# Altium PCB DoXeArrduino_RFID.PcbDoc
Units mm, origin at the board's own origin, x right, y up, seen from the top; angles counter-clockwise.
Board outline 83.82 x 41.66 mm, 2 copper layers (Top Layer, Bottom Layer); 13 components, 26 nets, 103 pads, 12 vias.
Unrouted connection lines stored in the file: 2.
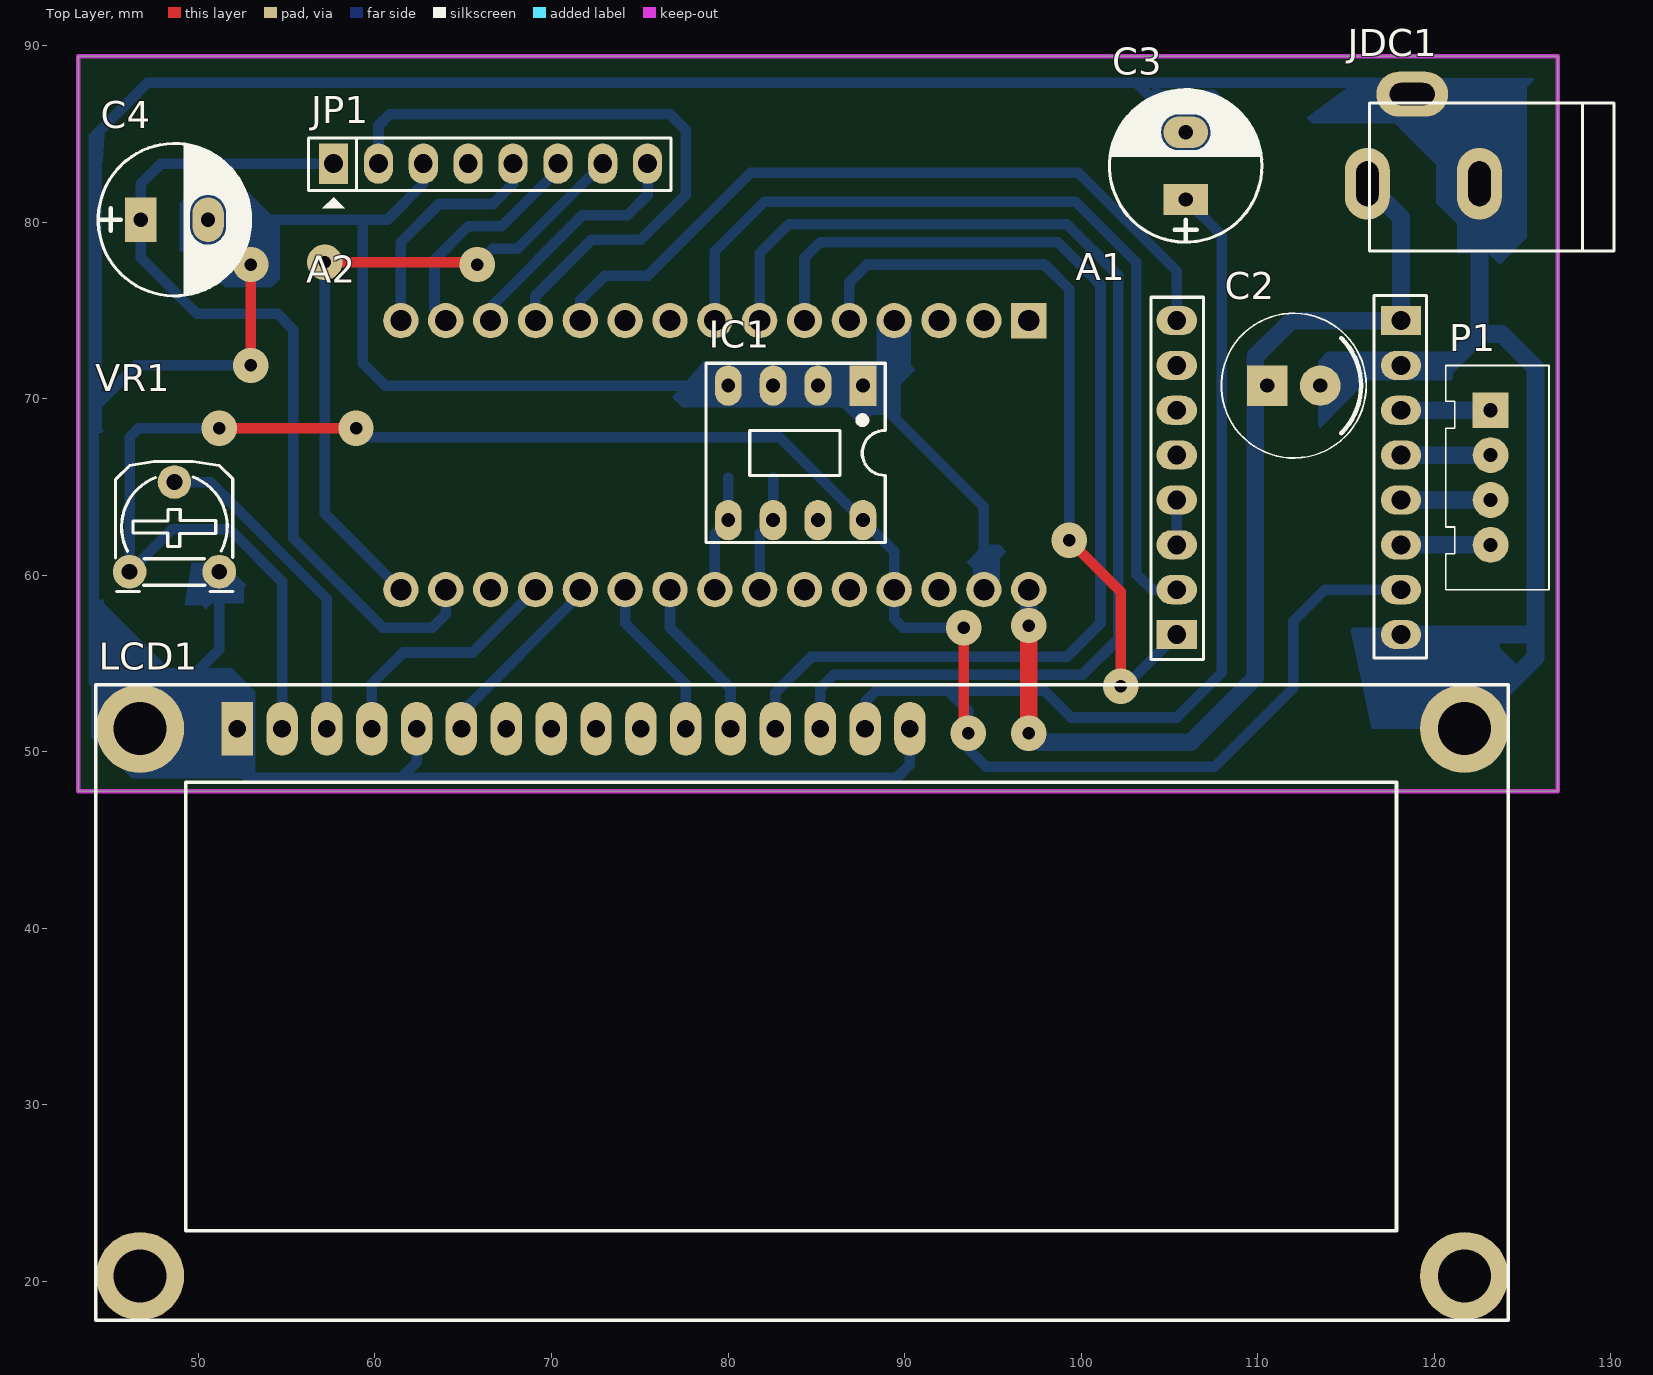
[diagram p0: Top Layer view]
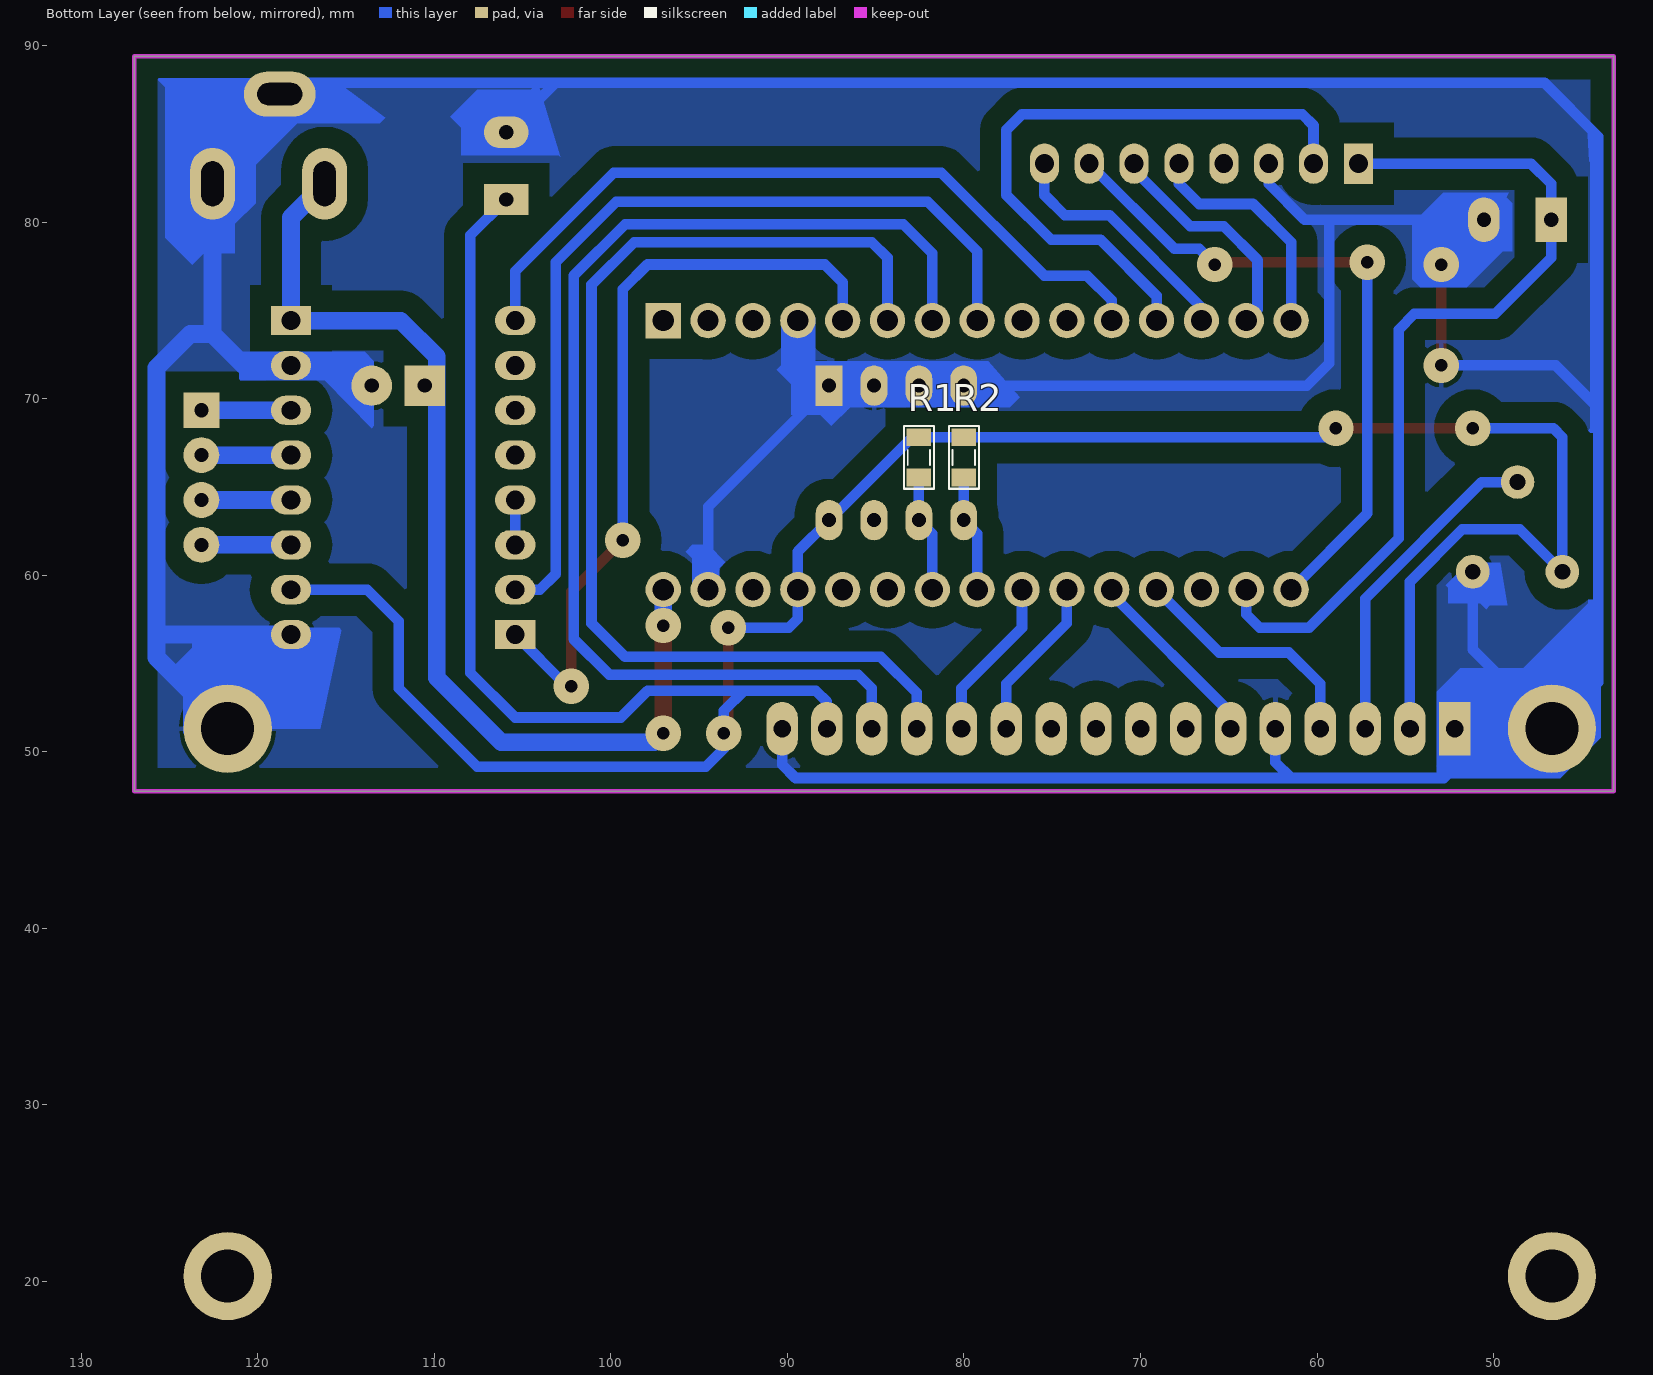
[diagram p1: Bottom Layer view, seen from below]

## Layer stack, top to bottom
Top Solder: solder mask 0.0102, Solder Resist, Dk 3.5
Top Layer: signal copper 0.0356
Dielectric 1: dielectric 0.32, FR-4, Dk 4.8
Bottom Layer: signal copper 0.0356
Bottom Solder: solder mask 0.0102, Solder Resist, Dk 3.5

## Board outline
43.18,47.752 43.18,89.408 127,89.408 127,47.752

## Design rules (kind name [scope] priority, off if disabled: settings)
Clearance [All] p1: gap=0.2 ignorepadtopadclearanceinfootprint=FALSE
PolygonConnect [All] p1: connectstyle=Relief reliefconductorwidth=0.254 reliefentries=4 polygonreliefangle="90 Angle" airgapwidth=0.254
RoutingVias [All] p1: holewidth=0.711 width=2 viastyle="Through Hole" minholewidth=0.711 minwidth=2 maxholewidth=0.711 maxwidth=3
SolderMaskExpansion [All] p1: expansion=0.102
Width [All] p1: maxlimit=1 minlimit=0.3 preferedwidth=0.6
30 further rules are at their usual default settings.

## Components (designator, comment, footprint, x,y, rotation, side; value= is the part's Value field where it differs from the comment)
A1 "A4988" FileName=OBIT_TESLA:\PCBLib\4.pcblib 103.632,74.549 r270 top
A2 "Arduino Nano" FileName=OBIT_TESLA:\PCBLib\7.pcblib 98.806,80.772 r180 top
C2 "1000uF/16V" "CAP 470uF/16V" 112.038,70.739 r0 top
C3 "1000uF/16V" CP1.5/3.4 105.918,81.28 r90 top
C4 "1000uF/16V" CP1.5/3.4 46.736,80.137 r0 top
IC1 "24Cxx" DIP8/W0.3 87.63,70.739 r180 top
JDC1 "Jack DC" DC0 119.38,84.709 r180 top
JP1 "JP8 PIN" JP8 57.658,83.312 r0 top value=JP7
LCD1 "LCD 16x2A" LCD16X2 52.197,51.308 r0 top value=LCD16x2A
P1 "HD4" "HEADER 4" 123.19,69.342 r270 top
R1 "1k" RES-SMD-0805 82.55,66.675 r90 bottom
R2 "1k" RES-SMD-0805 80.01,66.675 r90 bottom
VR1 "10k" VR-S2 46.101,60.198 r0 top

## Footprints (in the part's own frame and the unit in brackets; to place one, negate y for a bottom-side part, rotate by r counter-clockwise, add the part's x,y. Pads: shape width x height; smd on the part's side, far side on the other; paste and mask are expansions set on the pad)
"CAP 470uF/16V" [mm] "3-8.2-11-10.5(Dimension-Diameter-High)"
  rect 2.286x2.286 hole 0.8: 1(-1.5,0)
  round 2.286 hole 0.8: 2(1.5,0)
  silkscreen extent -4.1,-4.1 4.1,4.1
CP1.5/3.4 [mil] "Tu hoa 220->470uF,16V, 470uF/16V,25V"
  rect 70x100 hole 32: 1(0,0)
  oval 70x100 hole 32: 2(150,0)
  silkscreen extent -95,-170 245,170, body extent -85,-157 230,157, height 446
DC0 [mil] "Jac DC input"
  oval 100x160 hole 50 slot 100 at 90 deg: 1(125,100) 2(-125,100)
  oval 160x100 hole 50 slot 100 at 0 deg: 3(25,-100)
  silkscreen extent -425,-80 120,250, body extent -410,-105 134,269, height 434
DIP8/W0.3 [mil] "8 PIN, W 300mil, Pin to pin 100mil"
  rect 60x90 hole 31: 1(0,0)
  oval 60x90 hole 31: 2(100,0) 3(200,0) 4(300,0) 5(300,300) 6(200,300) 7(100,300) 8(0,300)
  silkscreen extent -50,-50 350,350, body extent -50,-40 350,336, height 201
FileName=OBIT_TESLA:\PCBLib\4.pcblib [mil]
  oval 65x90 hole 42: 1(5,70) 2(105,70) 3(205,70) 4(305,70) 5(405,70) 6(505,70) 7(605,70) 9(705,570) 10(605,570) 11(505,570) 12(405,570) 13(305,570) 14(205,570) 15(105,570)
  rect 65x90 hole 42: 8(705,70) 16(5,570)
  silkscreen extent -51,13 761,627, body extent -45,-165 785,619, height 1024
FileName=OBIT_TESLA:\PCBLib\7.pcblib [mm]
  rect 2x2 hole 1.2: 0(1.778,6.35)
  round 2 hole 1.2: 1(4.318,6.35) 2(6.858,6.35) 3(9.398,6.35) 4(11.938,6.35) 5(14.478,6.35) 6(17.018,6.35) 7(19.558,6.35) 8(22.098,6.35) 9(24.638,6.35) 10(27.178,6.35) 11(29.718,6.35) 12(32.258,6.35) 13(34.798,6.35) 14(37.338,6.35) 15(37.338,21.59) 16(34.798,21.59) 17(32.258,21.59) 18(29.718,21.59) 19(27.178,21.59) 20(24.638,21.59) 21(22.098,21.59) 22(19.558,21.59) 23(17.018,21.59) 24(14.478,21.59) 25(11.938,21.59) 26(9.398,21.59) 27(6.858,21.59) 28(4.318,21.59) 29(1.778,21.59)
  body extent -2.04,4.97 42.96,22.97, height 18.6
"HEADER 4" [mil]
  rect 80x80 hole 31.5: 1(0,0)
  round 80 hole 31.5: 2(100,0) 3(200,0) 4(300,0)
  silkscreen extent -100,-100 400,130, body extent -94,-92 394,134, height 276
JP8 [mil] "JP8"
  rect 65x90 hole 42: 1(0,0)
  oval 65x90 hole 42: 2(100,0) 3(200,0) 4(300,0) 5(400,0) 6(500,0) 7(600,0) 8(700,0)
  silkscreen extent -56,-100 752,57, body extent -48,-50 748,48, height 323
LCD16X2 [mm] "LCD dipslay 16x2, 16 pin"
  round 5 hole 3: 1(-5.5,-31) 1(-5.5,0) 1(69.5,-31) 1(69.5,0)
  rect 1.778x3.048 hole 1: 1(0,0)
  oval 1.778x3.048 hole 1: 2(2.54,0) 3(5.08,0) 4(7.62,0) 5(10.16,0) 6(12.7,0) 7(15.24,0) 8(17.78,0) 9(20.32,0) 10(22.86,0) 11(25.4,0) 12(27.94,0) 13(30.48,0) 14(33.02,0) 15(35.56,0) 16(38.1,0)
  round 0 all layers, no hole: ""(-5.5,0)
  silkscreen extent -8,-33.5 72,2.5, body extent -7.87,-33.96 72.64,2.54, height 18.14
RES-SMD-0805 [mil]
  rect 39.37x55 smd: 1(-45,0) 2(45,0)
  silkscreen extent -70,-34 70,33, body extent -39,-25 39,25, height 31
VR-S2 [mil] "Resistor Variable"
  round 75 hole 35: 1(0,0) 2(100,200) 3(200,0)
  silkscreen extent -31,-44 231,246, body extent -87,-30 307,372, height 165

## Part data
C2 C3 C4: library part CP4, "Cap 1000uF/16V - 220uF/50V", Description 1="2200uF-3300uF/6,3V - 1000uF-2200uF/10V", Description 2="1000uF/16V - 470uF => 1000uF/25V - 100uF/100V", Description 3=330uF>470uF/35V_220uF>470uF/50V_10uF>22uF/250V, Description 4="220uF => 330uF/63V - 10uF =>33uF/160 - 200V", Description 5="4,7uF>10uF/250V_3,3uF>10uF/400V - 2,2uF>4,7uF/450V"
IC1: "Standard 2-Wire Bus Interface Serial EEPROM", Copyright by=VanDungEvn
JDC1: library part JACK_DC
JP1: library part JP8
LCD1: library part LCD16x2A, "LCD dipslay 16 char, 2 line"
P1: library part "HEADER 4"
R1 R2: library part R, "Resistor R1/4W"
VR1: library part "Resistor Var"

## Via types
v1: diameter 2, hole 0.711, Top Layer to Bottom Layer, 12 vias

## Nets (pads, with @x,y where several pads share a name; then routed paths per layer and width w, separated by ;. In a path a pad name is that pad's centre, name@x,y a point inside that pad or via, vN(x,y) a via of type N, cw(c..) or ccw(c..) an arc to the next point about the centre after c; other vN are vias at no path point)
3V3: A2.16 C4.1 JP1.1 | length 50.2
  Bottom Layer w0.6: JP1.1 47.879,83.312 46.736,82.169 C4.1 46.736,77.978 49.911,74.803 54.483,74.803 55.372,73.914 55.372,62.103 60.452,57.023 63.246,57.023 64.008,57.785 A2.16
12V: A1.16 A2.29 C2.1 JDC1.1 | length 58.7
  Top Layer w1: v1(97.028,51.054) 97.028,56.74 96.823,56.945 v1(97.028,57.15)
  Bottom Layer w1: v1(97.028,51.054) 97.536,50.546 106.201,50.546 109.855,54.2 109.855,70.358 109.855,72.39 111.887,74.422 A1.16 118.11,80.264 JDC1.1 ; v1(97.028,57.15) A2.29
D4: A2.20 LCD1.11 | length 9.3
  Bottom Layer w0.6: A2.20 74.168,57.277 77.597,53.848 LCD1.11
D5: A2.21 LCD1.12 | length 9.3
  Bottom Layer w0.6: A2.21 76.708,57.023 80.137,53.594 LCD1.12
D6: A2.5 LCD1.13 | length 62.9
  Bottom Layer w0.6: LCD1.13 82.677,53.34 84.709,55.372 99.187,55.372 101.092,57.277 101.092,76.454 98.679,78.867 85.217,78.867 84.328,77.978 A2.5
D7: A2.6 LCD1.14 | length 66.9
  Bottom Layer w0.6: A2.6 81.788,78.232 83.439,79.883 99.187,79.883 102.108,76.962 102.108,56.388 100.076,54.356 85.979,54.356 85.217,53.594 LCD1.14
DIR: A1.8 A2.4 | length 43.7
  Top Layer w0.6: v1(99.314,61.976) 102.235,59.055 v1(102.235,53.721)
  Bottom Layer w0.6: A2.4 86.868,76.581 87.884,77.597 97.917,77.597 99.314,76.2 v1(99.314,61.976) ; v1(102.235,53.721) 102.489,53.721 A1.8
EN: A2.19 LCD1.6 | length 10.7
  Bottom Layer w0.6: LCD1.6 64.897,52.197 71.628,58.928 A2.19
EN_STEP: A1.1 A2.10 | length 43
  Bottom Layer w0.6: A2.10 71.628,75.565 73.025,76.962 75.438,76.962 81.28,82.804 99.822,82.804 105.41,77.216 A1.1
GND: A1.9 A1.15 A2.3 A2.28 C2.2 C3.2 C4.2 IC1.1 IC1.2 IC1.3 IC1.4 JDC1.2 JDC1.3 JP1.3 LCD1.1 LCD1.5 LCD1.16 VR1.3 | length 324.4
  Top Layer w0.6: v1(52.959,71.882) v1(52.959,77.597)
  Bottom Layer w0.6: C4.2 53.086,80.137 ; VR1.3 51.181,55.792 LCD1.1@46.697,51.308 ; v1(52.959,71.882) 46.482,71.882 44.069,69.469 ; v1(52.959,77.597) 52.959,80.01 53.086,80.137 ; LCD1.5 62.357,49.403 61.468,48.514 ; JP1.3 62.738,82.169 60.706,80.137 59.309,80.137 ; A2.3 89.408,72.517 IC1.1 ; LCD1.16 90.297,49.276 89.535,48.514 61.468,48.514 ; A2.28 94.488,63.881 IC1.1 ; C3.2 103.124,87.884 ; JDC1.3 118.11,87.884 103.124,87.884 ; 44.069,69.469 44.069,84.836 47.117,87.884 103.124,87.884 ; 44.069,69.469 44.069,53.936 LCD1.1@46.697,51.308 ; LCD1.1@46.697,51.308 52.197,51.308 52.197,49.149 52.832,48.514 61.468,48.514 ; 53.086,80.137 59.309,80.137 ; 59.309,80.137 59.309,72.009 60.579,70.739 IC1.4 IC1.3 IC1.2 IC1.1
  Bottom Layer w1: C2.2@113.665,70.358 115.189,71.882 A1.15 120.777,71.882 122.555,73.66 ; A1.9 125.603,56.642 125.73,56.769 ; JDC1.3 122.555,83.439 JDC1.2 122.555,73.66 ; LCD1.1@121.697,51.308 125.73,55.341 125.73,56.769 ; 122.555,73.66 123.825,73.66 125.73,71.755 125.73,56.769
NetA1_5: A1.5 A1.6 | length 2.5
  Bottom Layer w0.6: A1.6 A1.5
NetA1_11: A1.11 P1.4 | length 5.1
  Bottom Layer w1: A1.11 P1.4
NetA1_12: A1.12 P1.3 | length 5.1
  Bottom Layer w1: A1.12 P1.3
NetA1_13: A1.13 P1.2 | length 5.1
  Bottom Layer w1: A1.13 P1.2
NetA1_14: A1.14 P1.1 | length 5.1
  Bottom Layer w1: A1.14 P1.1
NetLCD1_3: LCD1.3 VR1.2 | length 18.7
  Bottom Layer w0.6: VR1.2 50.673,65.278 57.277,58.674 LCD1.3
RFID_MISO: A2.14 JP1.5 | length 13.3
  Bottom Layer w0.6: A2.14 61.468,78.867 63.627,81.026 66.675,81.026 67.818,82.169 JP1.5
RFID_MOSI: A2.13 JP1.6 | length 13.2
  Bottom Layer w0.6: A2.13 63.373,75.057 63.373,77.851 65.278,79.756 67.183,79.756 70.358,82.931 JP1.6
RFID_RESET: A2.11 JP1.2 | length 36.1
  Bottom Layer w0.6: JP1.2 60.198,85.471 60.833,86.106 76.708,86.106 77.597,85.217 77.597,81.534 75.057,78.994 72.263,78.994 69.088,75.819 A2.11
RFID_SCK: A2.15 JP1.7 | length 38.5
  Top Layer w0.6: v1(57.15,77.724) 65.659,77.724 v1(65.786,77.597)
  Bottom Layer w0.6: v1(57.15,77.724) 57.15,63.5 A2.15 ; v1(65.786,77.597) 66.675,78.486 68.072,78.486 JP1.7
RFID_SS: A2.12 JP1.8 | length 14.1
  Bottom Layer w0.6: A2.12 66.548,75.184 71.755,80.391 74.295,80.391 75.438,81.534 JP1.8
RS: A2.18 LCD1.4 | length 14
  Bottom Layer w0.6: LCD1.4 59.817,53.848 61.595,55.626 65.532,55.626 A2.18
SCL: A2.23 IC1.6 R1.1 | length 6.7
  Bottom Layer w0.6: A2.23 81.788,62.357 IC1.6 R1.1
SDA: A2.22 IC1.5 R2.1 | length 6.7
  Bottom Layer w0.6: A2.22 79.248,62.357 IC1.5 R2.1
STEP: A1.7 A2.7 | length 50.7
  Bottom Layer w0.6: A2.7 79.248,78.359 82.042,81.153 99.695,81.153 103.124,77.724 103.124,60.071 104.013,59.182 A1.7
VCC: A1.10 A2.26 C3.1 IC1.8 LCD1.2 LCD1.15 R1.2 R2.2 VR1.1 | length 173.9
  Top Layer w0.6: v1(51.181,68.326) v1(58.928,68.326) ; v1(93.599,51.054) 93.345,51.308 v1(93.345,57.023) v1@93.599,57.023
  Bottom Layer w0.6: v1(51.181,68.326) 46.609,68.326 46.101,67.818 VR1.1 48.514,62.611 51.767,62.611 54.737,59.641 LCD1.2 ; v1(58.928,68.326) 59.436,67.818 R2.2 82.931,67.818 IC1.8 89.408,61.341 A2.26 89.408,57.531 89.916,57.023 v1(93.345,57.023) ; LCD1.15 87.757,52.832 88.392,53.467 92.456,53.467 ; C3.1 107.95,79.248 107.95,54.483 105.41,51.943 99.441,51.943 97.917,53.467 92.456,53.467 ; A1.10 113.792,59.182 112.014,57.404 112.014,53.594 107.569,49.149 94.615,49.149 93.599,50.165 v1(93.599,51.054) 93.599,52.324 92.456,53.467
pads on no net: A1.2 A1.3 A1.4 A2.0 A2.1 A2.2 A2.8 A2.9 A2.17 A2.24 A2.25 A2.27 IC1.7 JP1.4 LCD1. LCD1.7 LCD1.8 LCD1.9 LCD1.10

## Polygon pours and split planes (outlines as drawn)
GND on Bottom Layer "Bottom Layer-No Net" (solid, pour order 4): 43.18,89.408 43.18,47.752 127,47.752 127,89.408

## Keep-outs
Keep-Out Layer:
  the board outline again, w0.254

## Other copper
Bottom Layer:
  region net GND: 93.857,59.309 93.857,60.4 93.511,60.745 94.488,61.722 95.377,61.722 95.758,61.341 95.377,60.96 95.377,58.928
  region net GND: 115.255,56.896 115.382,57.023 123.698,57.023 123.698,55.88 125.222,54.356 124.206,53.34 124.206,51.054 120.454,51.054 120.073,50.673 119.438,51.308 116.459,51.308
  region net GND: 116.205,71.05 120.974,71.05 121.053,71.129 121.053,72.692 120.974,72.771 120.847,72.644 113.924,72.644 113.411,72.131 113.411,68.453 113.538,68.326
  region net GND: 88.431,74.574 88.431,71.882 90.341,71.882 90.355,71.868 90.355,74.676
  region net GND: 78.613,72.109 90.115,72.109 90.595,71.628 89.789,70.822 89.789,69.088 88.138,69.088 87.503,68.453 86.438,69.518 77.41,69.518 76.835,70.093
  region net GND: 49.618,60.706 51.446,60.706 52.705,59.447 52.561,59.303 52.561,58.42 50.762,58.42 50.419,58.077 50.203,58.293 49.212,58.293
  region net GND: 43.942,58.548 44.002,58.608 44.645,58.608 44.645,58.402 48.311,54.737 51.892,54.737 53.23,53.4 53.213,53.383 53.213,48.514 46.228,48.514 43.942,50.8
  region net GND: 44.704,85.471 44.069,84.836 44.069,68.072 44.53,68.072 44.645,68.187 44.518,68.314 44.518,83.38 44.577,83.439
  region net GND: 49.276,81.407 48.932,81.063 48.932,78.359 49.471,78.359 51.52,76.31 54.165,76.31 54.61,76.756 54.61,79.904 52.853,81.661 49.149,81.661
  region net GND: 102.87,83.693 102.959,83.782 108.458,83.782 108.458,85.341 109.093,85.976 107.569,87.5 107.569,87.503 104.521,87.503 104.14,87.884
  region net GND: 115.443,87.884 115.697,88.138 125.593,88.138 125.662,88.07 125.222,87.63 125.222,79.121 123.698,77.597 123.063,78.232 121.285,78.232 121.285,79.911 120.12,81.076 120.12,83.239 117.761,85.598 113.083,85.598 112.776,85.905

## Silkscreen, mask and mechanical layers (free items; w line width, h text height)
Mechanical 15:
  region: 50.195,61.104